# Altium PCB PCB3.PcbDoc
Units mil, origin at the board's own origin, x right, y up, seen from the top; angles counter-clockwise.
Board outline 3937.01 x 3937.01 mil, 2 copper layers (Top Layer, Bottom Layer); 68 components, 63 nets, 246 pads, 28 vias.
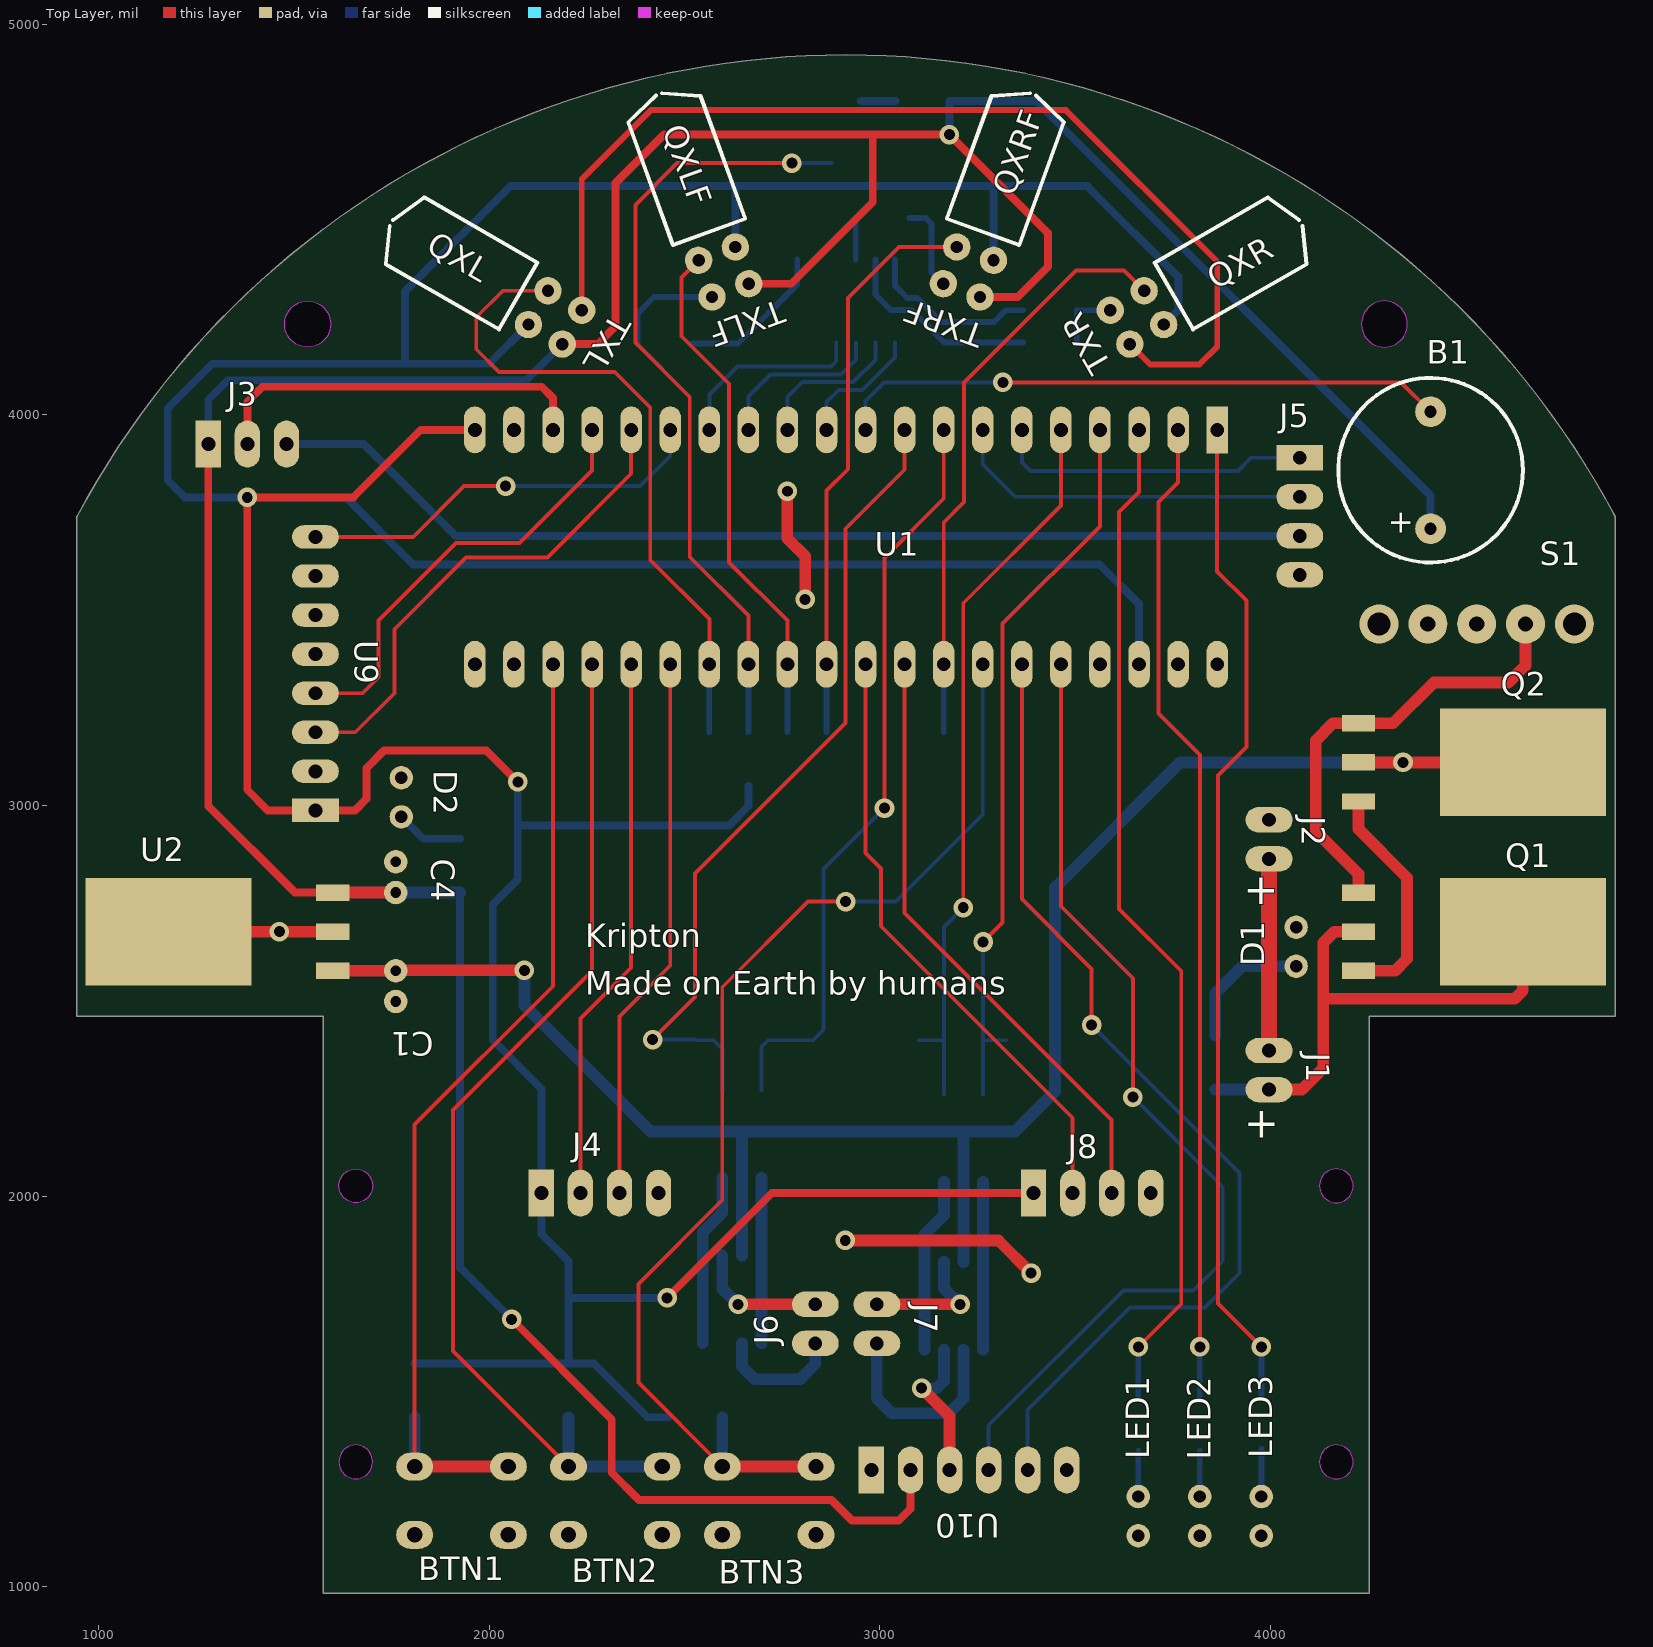
[diagram p0: Top Layer view]
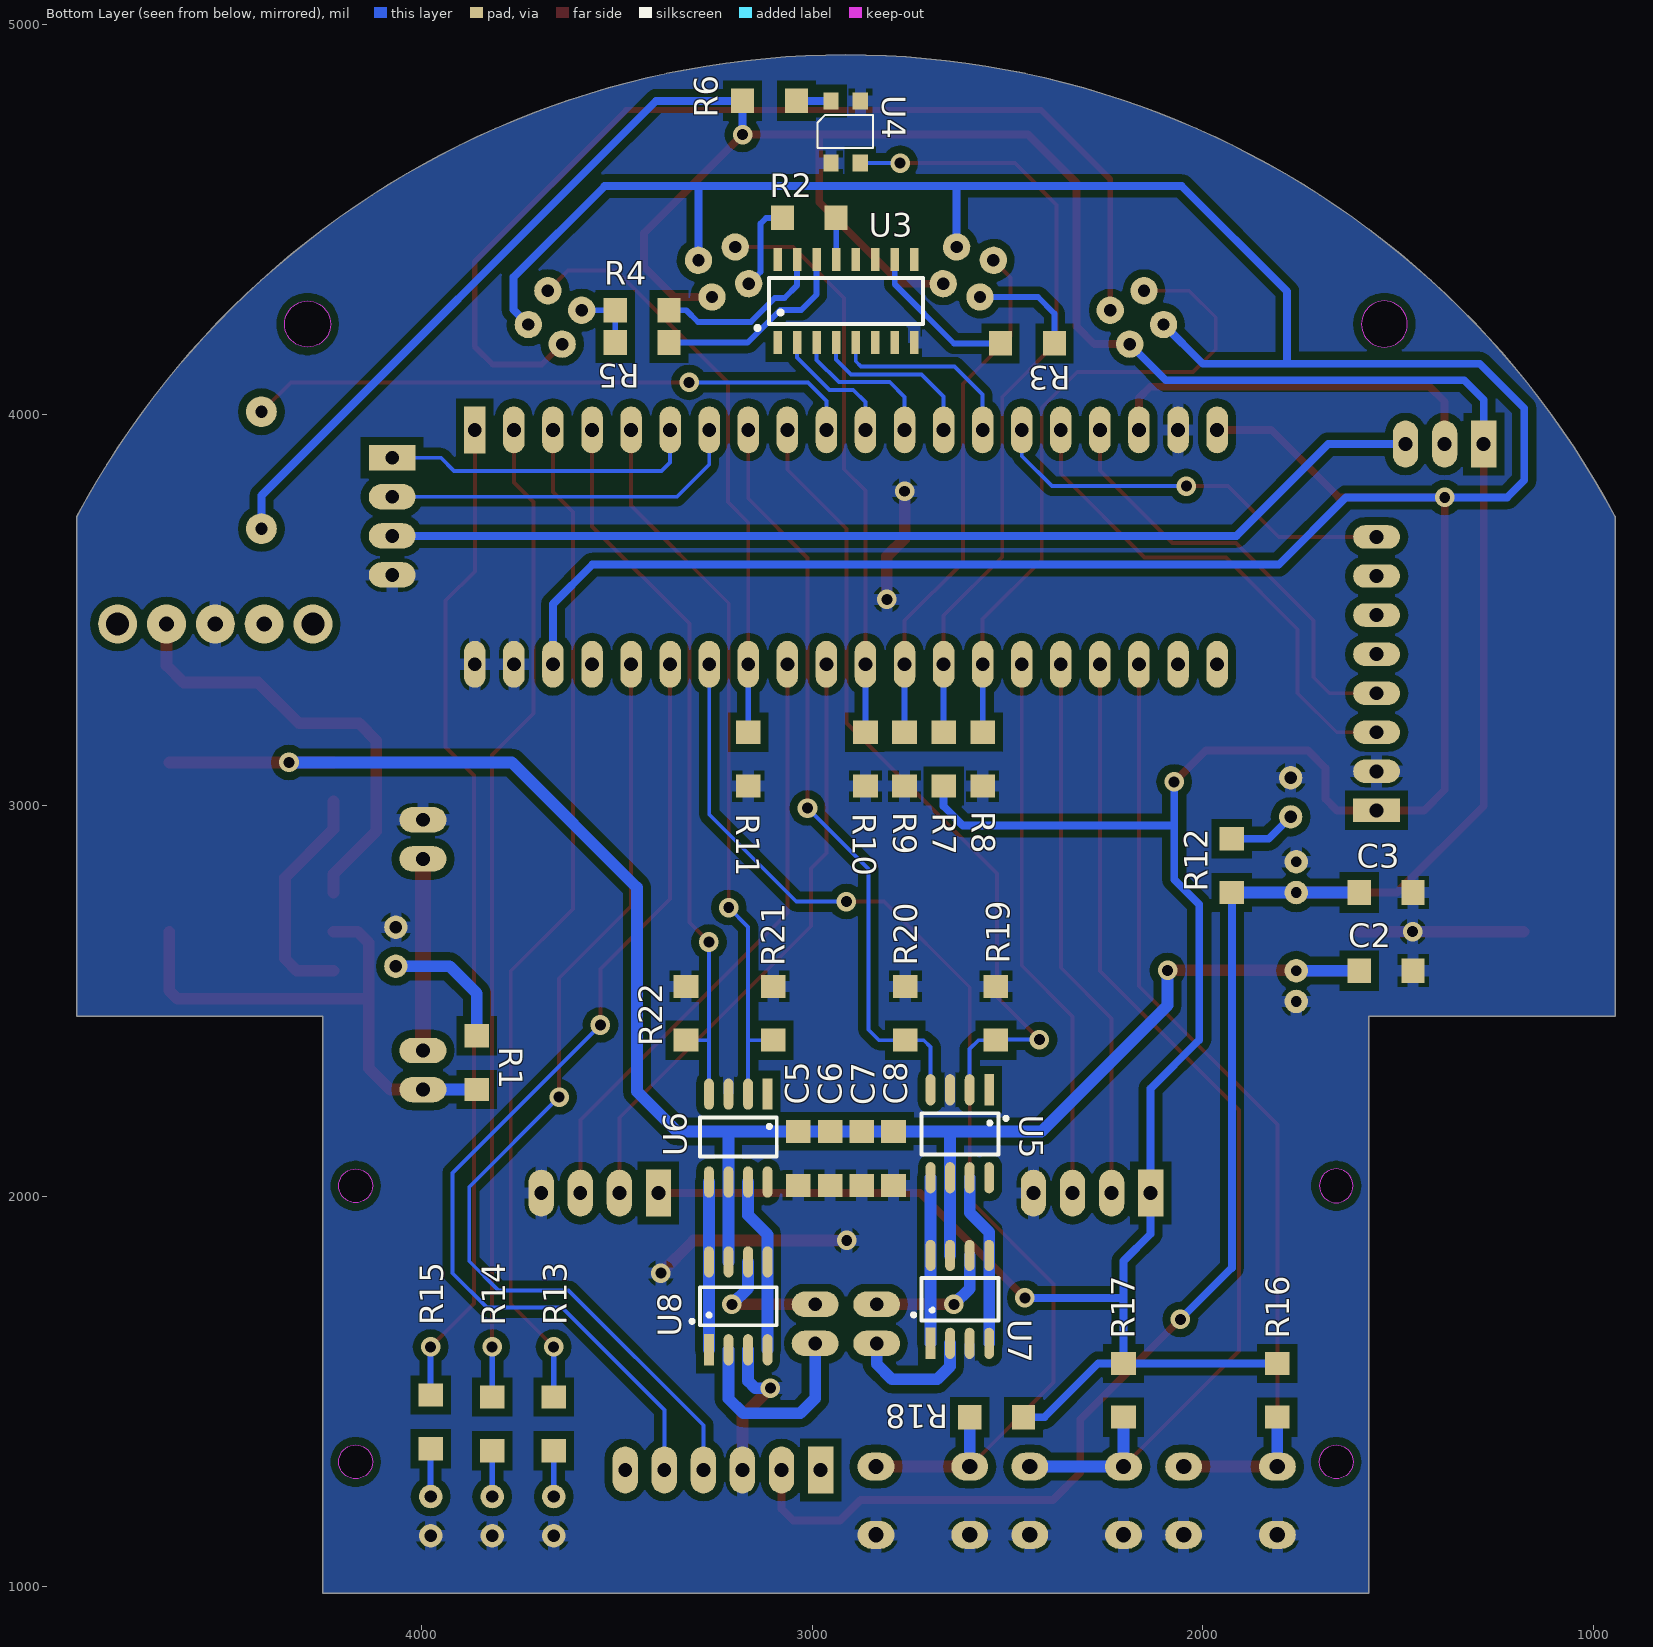
[diagram p1: Bottom Layer view, seen from below]
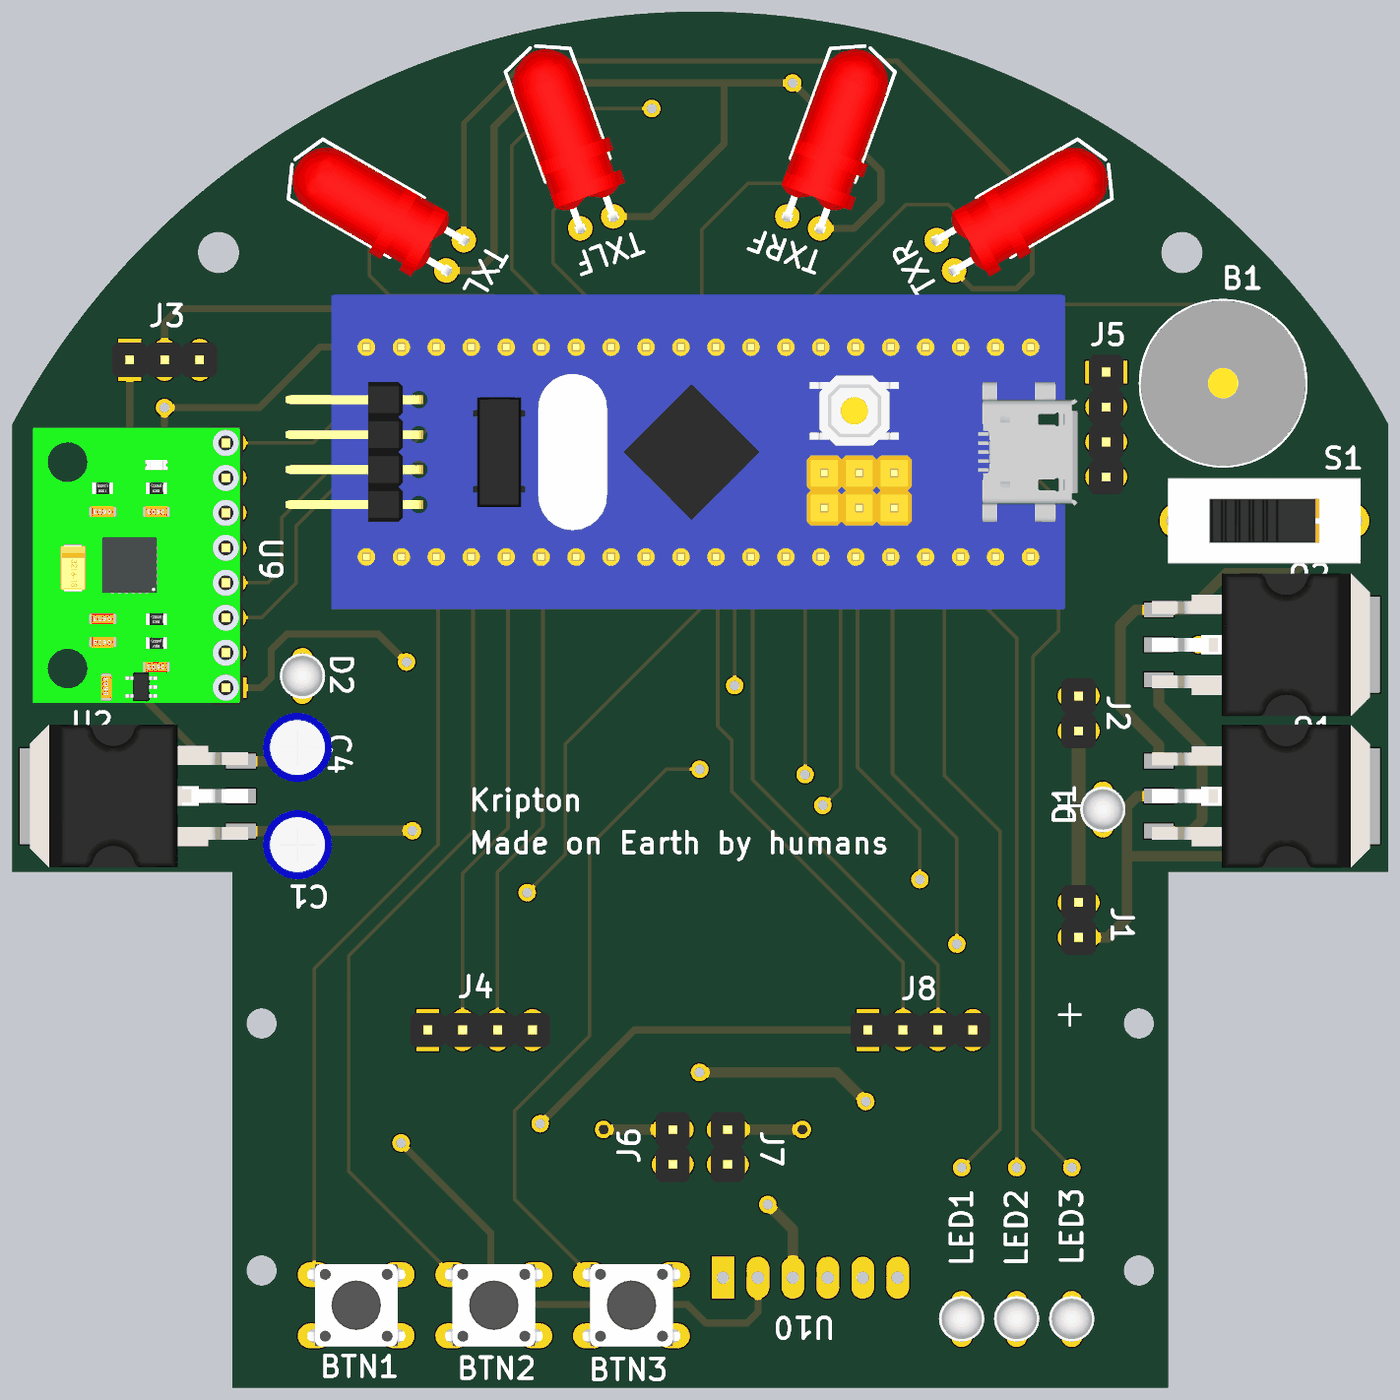
[diagram p2: 3D render of the assembled board from above, using the file's embedded part models]
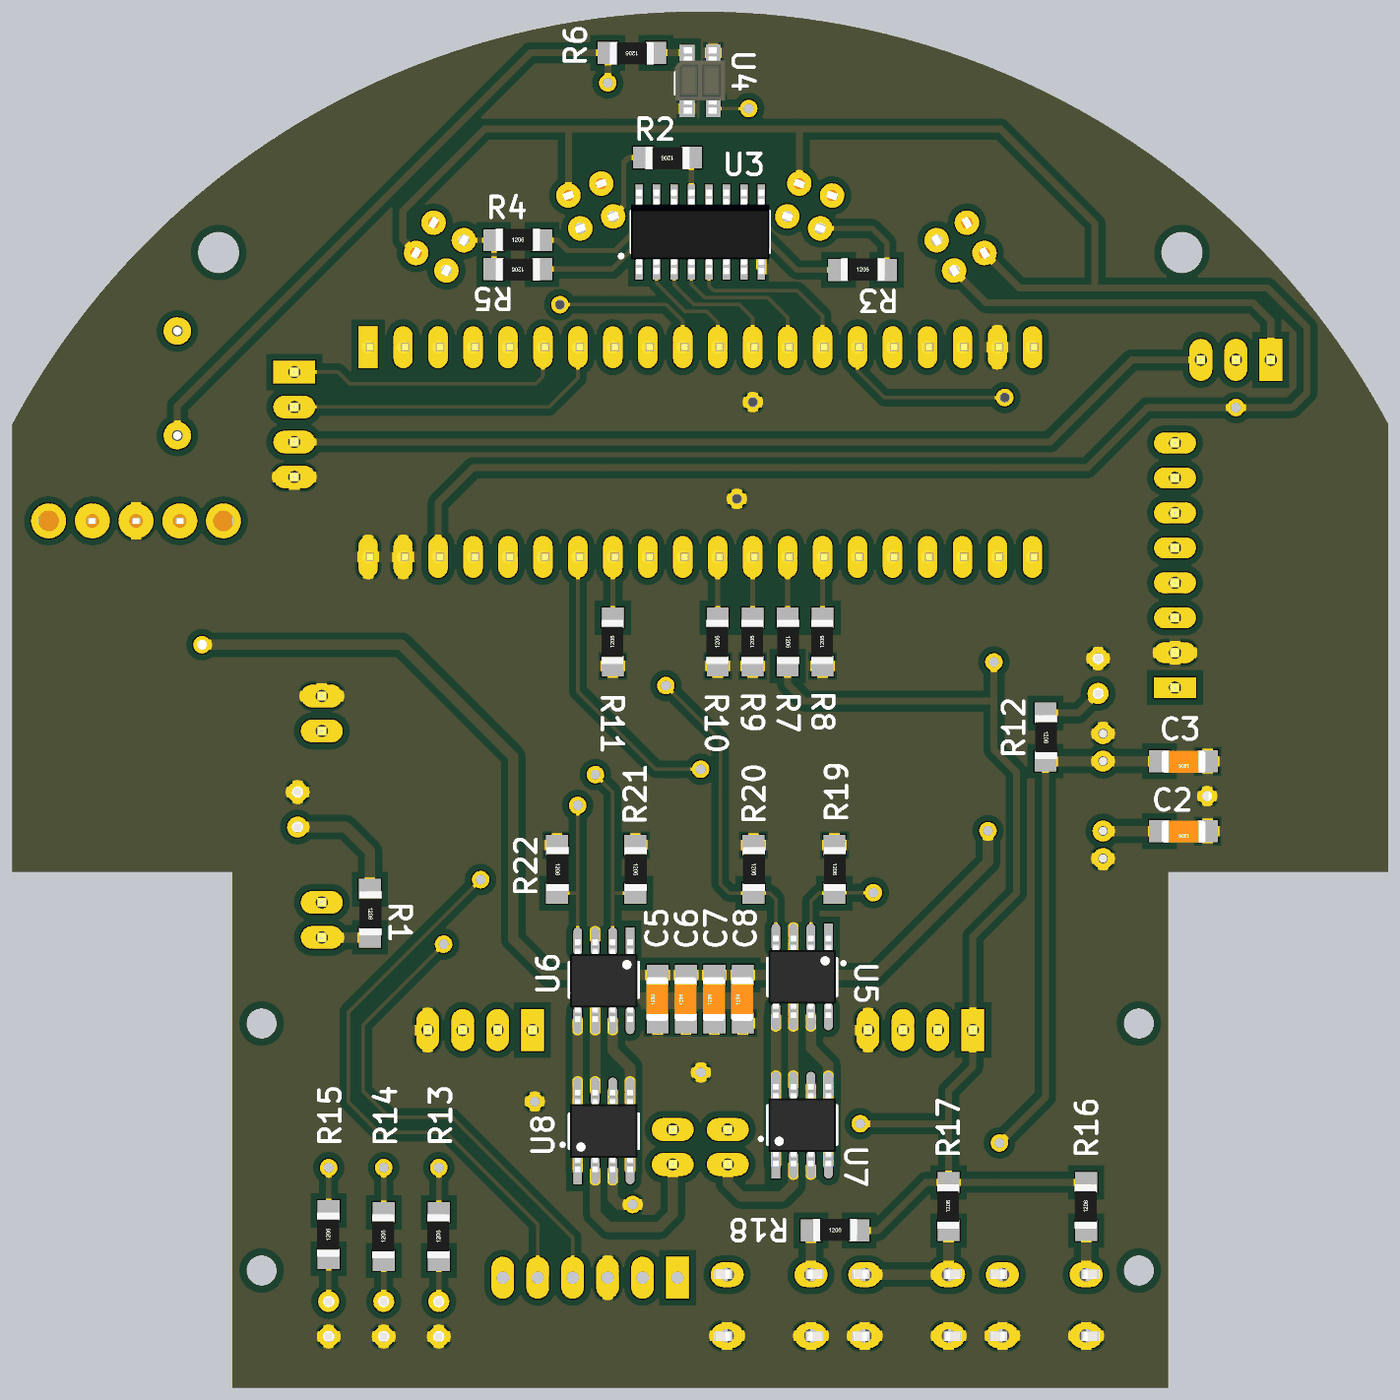
[diagram p3: 3D render of the assembled board from below, using the file's embedded part models]

## Layer stack, top to bottom
Top Solder: solder mask 0.4, Solder Resist, Dk 3.5
Top Layer: signal copper 1.4
Dielectric 1: dielectric 12.6, FR-4, Dk 4.8
Bottom Layer: signal copper 1.4
Bottom Solder: solder mask 0.4, Solder Resist, Dk 3.5

## Board outline
944.88,2460.63 1574.8,2460.63 1574.8,984.25 4251.97,984.25 4251.97,2460.63 4881.89,2460.63 4881.89,3740.16 ccw(c2913.39,2690.29) 944.88,3740.16
cut-out: 1594.24,4232.28 cw(c1535.18,4232.28) 1535.18,4173.23 cw(c1535.18,4232.28) 1476.13,4232.28 cw(c1535.18,4232.28) 1535.18,4291.34 cw(c1535.18,4232.28)
cut-out: 4232.28,4232.28 ccw(c4291.34,4232.28) 4291.34,4173.23 ccw(c4291.34,4232.28) 4350.39,4232.28 ccw(c4291.34,4232.28) 4291.34,4291.34 ccw(c4291.34,4232.28)
cut-out: 1615.16,1319.88 ccw(c1658.46,1319.88) 1658.46,1276.57 ccw(c1658.46,1319.88) 1701.77,1319.88 ccw(c1658.46,1319.88) 1658.46,1363.19 ccw(c1658.46,1319.88)
cut-out: 1658.46,1983.27 cw(c1658.46,2026.57) 1615.16,2026.57 cw(c1658.46,2026.57) 1658.46,2069.88 cw(c1658.46,2026.57) 1701.77,2026.57 cw(c1658.46,2026.57)
cut-out: 4125,2026.57 ccw(c4168.31,2026.57) 4168.31,1983.27 ccw(c4168.31,2026.57) 4211.61,2026.57 ccw(c4168.31,2026.57) 4168.31,2069.88 ccw(c4168.31,2026.57)
cut-out: 4125,1319.88 ccw(c4168.31,1319.88) 4168.31,1276.57 ccw(c4168.31,1319.88) 4211.61,1319.88 ccw(c4168.31,1319.88) 4168.31,1363.19 ccw(c4168.31,1319.88)

## Design rules (kind name [scope] priority, off if disabled: settings)
Clearance [All] p1: gap=10 except(20: Arc-Poly Track-Poly SMDPad-Poly THPad-Poly Via-Poly Fill-Poly Poly-Poly Poly-Region Poly-Text)
ComponentClearance [All] p1 off: gap=10 collisioncheckmode=3 verticalgap=0 showdistances=FALSE
Height [All] p1: minheight=0 maxheight=3937.01 prefheight=500
PolygonConnect [All] p1: connectstyle=Relief reliefconductorwidth=30 reliefentries=4 polygonreliefangle="90 Angle" airgapwidth=10
RoutingVias [All] p1: holewidth=28 width=50 viastyle="Through Hole" minholewidth=28 minwidth=50 maxholewidth=28 maxwidth=50
SolderMaskExpansion [All] p1: expansion=4
Width [All] p1: maxlimit=50 minlimit=10 preferedwidth=30
28 further rules are at their usual default settings.

## Components (designator, comment, footprint, x,y, rotation, side; value= is the part's Value field where it differs from the comment)
B1 "BUZZER" BUZZER-12MM 4409.45,3858.27 r90 top
BTN1 "BUTTON" TACT_SWITCH-SMALL-4PIN 1929.13,1220.47 r180 top
BTN2 "BUTTON" TACT_SWITCH-SMALL-4PIN 2322.83,1220.47 r180 top
BTN3 "BUTTON" TACT_SWITCH-SMALL-4PIN 2716.54,1220.47 r180 top
C1 "CAP-ELEC" CAP-ELEC-5x11x2mm 1761.02,2537.8 r270 top
C2 "CAP-CER" C1206 1530.56,2577.17 r0 bottom
C3 "CAP-CER" C1206 1530.56,2777.17 r0 bottom
C4 "CAP-ELEC" CAP-ELEC-5x11x2mm 1761.02,2816.54 r90 top
C5 "CAP-CER" C1206 3035.04,2096.46 r90 bottom
C6 "CAP-CER" C1206 2953.94,2096.46 r90 bottom
C7 "CAP-CER" C1206 2872.83,2096.46 r90 bottom
C8 "CAP-CER" C1206 2791.73,2096.46 r90 bottom
D1 "LED" LED-3MM-GREEN 4065.36,2638.58 r270 top
D2 "LED" LED-3MM-GREEN 1775.2,3020.87 r90 top
J1 "BAT" "HEADER 1x2" 3996.06,2322.83 r180 top
J2 "BAT" "HEADER 1x2" 3996.06,2913.39 r180 top
J3 "Jumper" "Header 1x3" 1281.1,3925.2 r90 top
J4 "ENCL" "Header 1x4" 2283.46,2007.87 r90 top
J5 "UART" "Header 1x4" 4074.8,3740.16 r0 top
J6 "MOTL" "HEADER 1x2" 2834.65,1673.23 r180 top
J7 "MOTR" "HEADER 1x2" 2992.13,1673.23 r180 top
J8 "ENCR" "Header 1x4" 3543.31,2007.87 r90 top
LED1 "LED" LED-3MM-GREEN 3661.42,1181.1 r270 top
LED2 "LED" LED-3MM-GREEN 3818.9,1181.1 r270 top
LED3 "LED" LED-3MM-GREEN 3976.38,1181.1 r270 top
Q1 "IRF5305S" TO-263 4525.42,2677.17 r270 top
Q2 "IRF5305S" TO-263 4525.42,3110.24 r270 top
QXL "QSD124" LED-5MM-RED-90-2 2125.42,4274.27 r240 top
QXLF "QSD124" LED-5MM-RED-90 2583.12,4412.44 r200 top
QXR "QSD124" LED-5MM-RED-90 3701.35,4274.27 r120 top
QXRF "QSD124" LED-5MM-RED-90 3243.65,4412.44 r160 top
R1 "RES" R1206 3858.27,2341.73 r270 bottom
R2 "RES" R1206 3007.28,4503.94 r0 bottom
R3 "RES" R1206 2448.82,4182.68 r180 bottom
R4 "RES" R1206 3435.04,4267.57 r180 bottom
R5 "RES" R1206 3435.04,4185.04 r0 bottom
R6 "RES" R1206 3109.06,4803.54 r0 bottom
R7 "RES" R1206 2663.39,3118.5 r270 bottom
R8 "RES" R1206 2563.39,3118.5 r90 bottom
R9 "RES" R1206 2763.39,3118.5 r90 bottom
R10 "RES" R1206 2863.39,3118.5 r90 bottom
R11 "RES" R1206 3163.39,3118.5 r90 bottom
R12 "RES" R1206 1925.59,2846.06 r270 bottom
R13 "RES" R1206 3661.42,1417.32 r90 bottom
R14 "RES" R1206 3818.9,1417.32 r90 bottom
R15 "RES" R1206 3976.38,1422.44 r90 bottom
R16 "RES" R1206 1809.13,1503.15 r90 bottom
R17 "RES" R1206 2202.83,1503.15 r90 bottom
R18 "RES" R1206 2527.64,1434.25 r180 bottom
R19 "RES" R1206 2529.53,2468.11 r270 bottom
R20 "RES" R1206 2761.42,2468.11 r270 bottom
R21 "RES" R1206 3099.61,2468.11 r270 bottom
R22 "RES" R1206 3322.83,2468.11 r270 bottom
S1 "SLIDE-SWITCH" SWITCH 4527.56,3464.57 r180 top
TXL "LED" LED-5MM-RED-90-2 2212.03,4224.27 r240 top
TXLF "SFH 4555" LED-5MM-RED-90 2617.32,4318.47 r200 top
TXR "LED" LED-5MM-RED-90 3614.75,4224.27 r120 top
TXRF "LED" LED-5MM-RED-90 3209.45,4318.47 r160 top
U1 "BLUE PILL STM32" BLUE_PILL 2913.39,3661.42 r270 top
U2 "LM2940" TO-263 1299.21,2677.17 r90 top
U3 "ULN2003A" SOIC-16-NARROW 2913.39,4291.34 r90 bottom
U4 "QRE1113GR" QRE1113GR 2913.39,4724.41 r270 bottom
U5 "4427" SOIC-8 2621.85,2159.74 r270 bottom
U6 "4427" SOIC-8 3188.98,2148.82 r270 bottom
U7 "ZXMHC3F381N8" SOIC-8 2621.85,1735.73 r90 bottom
U8 "ZXMHC3F381N8" SOIC-8 3188.98,1719.19 r90 bottom
U9 "GY-521" GY-521 1305.12,3337.4 r180 top
U10 "HC-05" HC-05 3228.35,1299.21 r90 top

## Footprints (in the part's own frame and the unit in brackets; to place one, negate y for a bottom-side part, rotate by r counter-clockwise, add the part's x,y. Pads: shape width x height; smd on the part's side, far side on the other; paste and mask are expansions set on the pad)
BLUE_PILL [mil]
  rect 120x55 hole 35.43: 1(-300,950)
  oval 120x55 hole 35.43: 2(-300,850) 3(-300,750) 4(-300,650) 5(-300,550) 6(-300,450) 7(-300,350) 8(-300,250) 9(-300,150) 10(-300,50) 11(-300,-50) 12(-300,-150) 13(-300,-250) 14(-300,-350) 15(-300,-450) 16(-300,-550) 17(-300,-650) 18(-300,-750) 19(-300,-850) 20(-300,-950) 21(300,-950) 22(300,-850) 23(300,-750) 24(300,-650) 25(300,-550) 26(300,-450) 27(300,-350) 28(300,-250) 29(300,-150) 30(300,-50) 31(300,50) 32(300,150) 33(300,250) 34(300,350) 35(300,450) 36(300,550) 37(300,650) 38(300,750) 39(300,850) 40(300,950)
  body extent -450,-1186 450,1080, height 638
BUZZER-12MM [mm]
  round 2 hole 0.8: 1(-3.8,0) 2(3.8,0)
  silkscreen extent -6,-6 6,6, body extent -6,-6 6,6, height 9.5
C1206 [mm]
  rect 1.5x1.6 smd: 1(-1.75,0) 2(1.75,0)
  body extent -1.6,-0.76 1.6,0.84, height 1.26
CAP-ELEC-5x11x2mm [mil]
  round 60 hole 27.56: 1(-39.37,0) 2(39.37,0)
  body extent -100,-99 99,99, height 454
GY-521 [mil]
  rect 120x60 hole 35.43: 1(-250,350)
  oval 120x60 hole 35.43: 2(-250,250) 3(-250,150) 4(-250,50) 5(-250,-50) 6(-250,-150) 7(-250,-250) 8(-250,-350)
  body extent -300,-400 300,400, height 220
HC-05 [mil]
  rect 120x65 hole 35.43: 1(0,250)
  oval 120x65 hole 35.43: 2(0,150) 3(0,50) 4(0,-50) 5(0,-150) 6(0,-250)
  body extent -217,-317 15,317, height 1496
"HEADER 1x2" [mil]
  oval 120x65 hole 35.43: 1(0,50) 2(0,-50)
  body extent -49,-100 49,100, height 336
"Header 1x3" [mil]
  rect 120x65 hole 35.43: 1(0,0)
  oval 120x65 hole 35.43: 2(0,-100) 3(0,-200)
  body extent -49,-250 49,50, height 336
"Header 1x4" [mil]
  rect 120x65 hole 35.43: 1(0,150)
  oval 120x65 hole 35.43: 2(0,50) 3(0,-50) 4(0,-150)
  body extent -49,-200 49,200, height 336
LED-3MM-GREEN [mil]
  round 60 hole 31.5: A(-50,0) K(50,0)
  body extent -66,-65 64,65, height 217
LED-5MM-RED-90 [mil]
  round 70 hole 31.5: A(-50,0) K(50,0)
  body extent -116,-421 96,10, height 234
LED-5MM-RED-90-2 [mil]
  round 70 hole 31.5: A(50,0) K(-50,0)
  body extent -96,-421 116,10, height 234
QRE1113GR [mm]
  rect 1.1x1 smd: A(-2.01,-0.97) C(2.04,0.94) E(-2.01,0.94) K(2.04,-0.97)
  silkscreen extent -1.08,-1.85 1.04,1.75, body extent -2.4,-1.8 2.4,1.8, height 1.83
R1206 [mm]
  rect 1.5x1.6 smd: 1(-1.75,0) 2(1.75,0)
  body extent -1.6,-0.76 1.6,0.84, height 0.68
SOIC-8 [mil]
  rect 80x25 smd: 1(-112.5,75)
  oval 80x25 smd: 2(-112.5,25) 3(-112.5,-25) 4(-112.5,-75) 5(112.5,-75) 6(112.5,-25) 7(112.5,25) 8(112.5,75)
  silkscreen extent -52,-98 53,122, body extent -118,-96 118,96, height 69
SOIC-16-NARROW [mm]
  rect 1.5x0.55 smd: 1(-2.7,4.445) 2(-2.7,3.175) 3(-2.7,1.905) 4(-2.7,0.635) 5(-2.7,-0.635) 6(-2.7,-1.905) 7(-2.7,-3.175) 8(-2.7,-4.445) 9(2.7,-4.445) 10(2.7,-3.175) 11(2.7,-1.905) 12(2.7,-0.635) 13(2.7,0.635) 14(2.7,1.905) 15(2.7,3.175) 16(2.7,4.445)
  silkscreen extent -2,-5 1.5,6, body extent -3.08,-5.04 3.08,5.04, height 2
SWITCH [mm]
  round 2.54 hole 1: 1(-3.175,0) 2(0,0) 3(3.175,0)
  round 2.54 hole 1.5: 4(-6.35,0) 4(6.35,0)
  body extent -7,-3.1 7,3.1, height 9.65
TACT_SWITCH-SMALL-4PIN [mm]
  oval 2.4x1.8 hole 1: 1(-3.048,2.222) 1(3.048,2.223) 2(-3.048,-2.223) 2(3.048,-2.222)
  body extent -3.99,-3 3.99,3, height 5.15
TO-263 [mil]
  rect 42x85 smd: 1(-100,-300.25) 2(0,-300.25) 3(100,-300.25)
  rect 275x425 smd: 2(0,120.25)
  body extent -204,-320 205,304, height 181

## Part data
B1: library part BUZZER-ACTIVE
J1 J2 J6 J7: library part "Header 1x2"
J3: library part "Header 1x3"
J4 J5 J8: library part "Header 1x4"
Q1 Q2: library part P-MOSFET
QXL QXLF QXR QXRF: library part "PHOTO NPN"
TXLF: library part LED
U9: library part "GY-521 (MPU6050)"

## Via types
v1: diameter 50, hole 28, Top Layer to Bottom Layer, 28 vias

## Nets (pads, with @x,y where several pads share a name; then routed paths per layer and width w, separated by ;. In a path a pad name is that pad's centre, name@x,y a point inside that pad or via, vN(x,y) a via of type N, cw(c..) or ccw(c..) an arc to the next point about the centre after c; other vN are vias at no path point)
3V3: J4.1 J8.1 QXL.A QXLF.A QXR.A QXRF.A R7.2 R16.2 R17.2 R18.2 U1.20 U1.38 U9.1 | length 13325.3
  Top Layer w20: U1.20 1825.2,3961.42 1652.36,3788.58 v1(1380.71,3788.58) 1380.71,3040.16 1433.46,2987.4 U9.1 1656.3,2987.4 1685.83,3016.93 1685.83,3095.67 1730.71,3140.55 1992.52,3140.55 2072.44,3060.63 v1(2073.23,3060.63) ; v1(2455.51,1739.76) 2723.62,2007.87 J8.1
  Bottom Layer w20: R16.2 R17.2 ; v1(2073.23,3060.63) 2073.23,2948.82 ; QXL.A 2000.16,4130.71 1784.25,4130.71 ; v1(2455.51,1739.76) 2202.83,1739.76 ; R18.2 2405.51,1434.25 2267.72,1572.05 R17.2 ; QXLF.A 2630.11,4573.23 ; R7.2 2663.39,2998.03 2614.17,2948.82 2073.23,2948.82 ; QXRF.A 3290.63,4573.23 ; U1.38 3663.39,3515.75 3562.6,3616.54 1805.51,3616.54 1633.46,3788.58 v1(1380.71,3788.58) 1220.87,3788.58 1177.17,3832.28 1177.17,4016.54 1291.34,4130.71 1784.25,4130.71 ; QXR.A 3764.17,4268.8 3764.17,4352.36 3531.1,4585.43 2053.94,4585.43 1784.25,4315.75 1784.25,4130.71 ; 2073.23,2948.82 2073.23,2810.63 2009.06,2746.46 2009.06,2400 2133.46,2275.59 J4.1 2133.46,1903.54 2202.83,1834.17 2202.83,1739.76 ; R17.2 2202.83,1739.76
5V: B1.1 C3.2 C4.1 J3.1 R6.2 R12.2 TXL.A TXLF.A TXRF.A U2.3 U10.2 | length 9950.1
  Top Layer w20: J3.1 1281.1,2998.82 1502.76,2777.17 U2.3 ; v1(2057.48,1684.65) 2313.78,1428.35 2313.78,1292.13 2383.46,1222.44 2875.98,1222.44 2928.74,1169.68 3048.43,1169.68 3078.35,1199.61 U10.2 ; TXL.A 2277.43,4180.97 2323.23,4226.77 2323.23,4593.31 2447.24,4717.32 2981.5,4717.32 ; TXLF.A 2772.98,4335.58 2981.5,4544.09 2981.5,4717.32 ; TXRF.A 3352.95,4301.37 3430.32,4378.74 3430.32,4464.96 v1(3177.95,4717.32) 2981.5,4717.32
  Top Layer w30: U2.3 C4.1
  Bottom Layer w20: J3.1 1281.1,4038.58 1331.1,4088.58 2094.64,4088.58 TXL.A ; R12.2 1925.59,1816.54 v1(2057.48,1684.65) ; v1(3177.95,4717.32) R6.2 3399.21,4803.54 4409.45,3793.31 B1.1
  Bottom Layer w30: C3.2 C4.1 R12.2
BTN1: BTN1.2 R16.1 U1.23 | length 2566.5
  Top Layer w10: BTN1.2@1809.13,1307.97 1809.13,2183.15 2163.39,2537.4 U1.23
  Top Layer w30: BTN1.2@1809.13,1307.97 BTN1.2@2049.13,1307.97
  Bottom Layer w30: BTN1.2@1809.13,1307.97 R16.1
BTN2: BTN2.2 R17.1 U1.24 | length 2689.5
  Top Layer w10: BTN2.2@2202.83,1307.97 1907.48,1603.33 1907.48,2220.08 2263.39,2575.98 U1.24
  Bottom Layer w30: R17.1 2202.83,1307.97 BTN2.2@2442.83,1307.97
BTN3: BTN3.2 R18.1 U1.34 | length 3005.4
  Top Layer w10: BTN3.2@2596.54,1307.97 2381.89,1522.62 2381.89,1775.59 2596.54,1990.24 2596.54,2534.72 2815.75,2753.94 v1(2912.2,2753.94)
  Top Layer w30: BTN3.2@2596.54,1307.97 BTN3.2@2836.54,1307.97
  Bottom Layer w10: v1(2912.2,2753.94) 3040.55,2753.94 3263.39,2976.77 U1.34
  Bottom Layer w30: BTN3.2@2596.54,1307.97 R18.1
BUZZER: B1.2 U1.10 | length 1571.2
  Top Layer w10: v1(3314.96,4083.07) 4334.25,4083.07 B1.2
  Bottom Layer w10: U1.10 2963.39,4035.83 3010.63,4083.07 v1(3314.96,4083.07)
CNY: R7.1 U1.28 U4.C | length 2015.9
  Top Layer w10: U1.28 2663.39,3485.83 2513.39,3635.83 2513.39,4046.06 2374.41,4185.04 2374.41,4537.4 2481.1,4644.09 v1(2774.8,4644.09)
  Bottom Layer w10: v1(2774.8,4644.09) U4.C
  Bottom Layer w15: R7.1 U1.28
ENCL_A: J4.2 U1.25 | length 1407.4
  Top Layer w10: J4.2 2233.46,2454.72 2363.39,2584.65 U1.25
ENCL_B: J4.3 U1.26 | length 1407.4
  Top Layer w10: J4.3 2333.46,2460.24 2463.39,2590.16 U1.26
ENCR_A: J8.2 U1.31 | length 1573
  Top Layer w10: U1.31 2963.39,2878.74 3003.15,2838.98 3003.15,2690.94 3493.31,2200.79 J8.2
ENCR_B: J8.3 U1.32 | length 1573
  Top Layer w10: U1.32 3063.39,2725.2 3593.31,2195.28 J8.3
GND: BTN1.1 BTN2.1 BTN3.1 C1.2 C2.1 C3.1 C4.2 C5.1 C6.1 C7.1 C8.1 D1.A D2.K J2.2 J4.4 J5.4 J8.4 LED1.K LED2.K LED3.K R8.1 R9.1 R10.1 R11.1 R19.1 R20.1 R21.1 R22.1 S1.2 U1.19 U1.39 U1.40 U2.2 U3.8 U4.E U4.K U5.3 U6.3 U7.3 U8.3 U9.2 U10.3 | length 1610.1
  Top Layer w30: U2.2@1178.96,2677.17 v1(1462.99,2677.17) U2.2@1599.46,2677.17 ; v1(2762.99,3804.33) 2762.99,3683.46 2808.66,3637.8 v1(2808.66,3527.56) ; v1(2911.42,1886.61) 3303.54,1886.61 v1(3387.01,1803.15) ; v1(3106.69,1508.66) 3178.35,1437.01 U10.3
  Bottom Layer w30: v1(3106.69,1508.66) 3145.67,1508.66 3163.98,1526.97 U8.3
LED1: R13.2 U1.3 | length 2607.8
  Top Layer w10: v1(3661.42,1614.17) 3771.26,1724.02 3771.26,2576.38 3612.2,2735.43 3612.2,3750.79 3663.39,3801.97 U1.3
  Bottom Layer w15: R13.2 v1(3661.42,1614.17)
LED2: R14.2 U1.2 | length 2539.9
  Top Layer w10: U1.2 3763.39,3827.17 3712.99,3776.77 3712.99,3235.04 3818.9,3129.13 v1(3818.9,1614.17)
  Bottom Layer w15: R14.2 v1(3818.9,1614.17)
LED3: R15.2 U1.1 | length 2577.2
  Top Layer w10: U1.1 3863.39,3599.21 3938.19,3524.41 3938.19,3149.61 3865.35,3076.77 3865.35,1725.2 v1(3976.38,1614.17)
  Bottom Layer w15: R15.2 v1(3976.38,1614.17)
MOTL_DIR: R19.2 U1.9 U5.2 | length 2121.1
  Top Layer w10: v1(2418.11,2400.79) 2527.17,2509.84 2527.17,2826.38 2912.2,3211.42 2912.2,3708.27 3063.39,3859.45 U1.9
  Bottom Layer w10: v1(2418.11,2400.79) 2527.95,2400.79 R19.2 2574.41,2399.21 2596.85,2376.77 U5.2
MOTL_PWM: R20.2 U1.8 U5.4 | length 1949.8
  Top Layer w10: v1(3011.81,2993.31) 3011.81,3633.86 3163.39,3785.43 U1.8
  Bottom Layer w10: U5.4 2696.85,2381.89 2714.17,2399.21 R20.2 2829.13,2399.21 2855.91,2425.98 2855.91,2837.4 v1(3011.81,2993.31)
MOTR_DIR: R22.2 U1.4 U6.4 | length 1883
  Top Layer w10: v1(3263.98,2650.59) 3314.17,2700.79 3314.17,3465.35 3563.39,3714.57 U1.4
  Bottom Layer w10: U6.4 3263.98,2399.21 ; v1(3263.98,2650.59) 3263.98,2399.21 ; R22.2 3263.98,2399.21
MOTR_PWM: R21.2 U1.5 U6.2 | length 1888.5
  Top Layer w10: v1(3213.39,2738.58) 3213.39,3517.72 3463.39,3767.72 U1.5
  Bottom Layer w10: R21.2 3163.98,2399.21 ; U6.2 3163.98,2399.21 ; v1(3213.39,2738.58) 3163.98,2689.17 3163.98,2399.21
MPU_INT: U1.15 U9.8 | length 1061
  Top Layer w10: U9.8 1805.51,3687.4 1935.43,3817.32 v1(2042.13,3817.32)
  Bottom Layer w10: v1(2042.13,3817.32) 2386.22,3817.32 2463.39,3894.49 U1.15
NetD1_K: D1.K R1.1 | length 344.2
  Bottom Layer w30: R1.1 3858.27,2518.9 3927.95,2588.58 D1.K
NetD2_A: D2.A R12.1 | length 173.5
  Bottom Layer w20: D2.A 1831.1,2914.96 R12.1
NetJ1_1: J1.1 Q1.2 R1.2 | length 1393.2
  Top Layer w30: J1.1 4079.92,2272.83 4134.65,2327.56 4134.65,2505.12 ; Q1.2@4225.17,2677.17 4163.39,2677.17 4134.65,2648.43 4134.65,2505.12 ; Q1.2@4645.67,2677.17 4645.67,2525.98 4624.8,2505.12 4134.65,2505.12
  Bottom Layer w30: R1.2 J1.1
NetJ1_2: J1.2 J2.1 | length 490.6
  Top Layer w40: J1.2 J2.1
NetJ3_2: J3.2 U1.18 | length 1000.1
  Top Layer w20: J3.2 1381.1,4033.46 1419.68,4072.05 2134.25,4072.05 2163.39,4042.91 U1.18
NetJ6_1: J6.1 U7.2 | length 329.1
  Bottom Layer w30: U7.2 2646.85,1564.57 2679.92,1531.5 2795.67,1531.5 2834.65,1570.47 J6.1
NetJ6_2: J6.2 U7.6 | length 339.3
  Top Layer w30: v1(2637.01,1723.23) J6.2
  Bottom Layer w30: U7.6 2596.85,1763.39 v1(2637.01,1723.23)
NetJ7_1: J7.1 U8.2 | length 519.2
  Bottom Layer w30: J7.1 2992.13,1482.28 3030.31,1444.09 3176.38,1444.09 3213.98,1481.69 U8.2
NetJ7_2: J7.2 U8.6 | length 339.1
  Top Layer w30: J7.2 v1(3205.51,1723.23)
  Bottom Layer w30: U8.6 3163.98,1764.76 v1(3205.51,1723.23)
NetLED1_A: LED1.A R13.1 | length 117.3
  Bottom Layer w15: LED1.A R13.1
NetLED2_A: LED2.A R14.1 | length 117.3
  Bottom Layer w15: LED2.A R14.1
NetLED3_A: LED3.A R15.1 | length 122.4
  Bottom Layer w15: LED3.A R15.1
NetQ1_G: Q1.1 Q2.1 S1.1 | length 1157.4
  Top Layer w30: Q1.1 4225.17,2824.44 4115.35,2934.25 4115.35,3166.14 4159.45,3210.24 Q2.1 4313.39,3210.24 4417.72,3314.57 4608.66,3314.57 4652.56,3358.46 S1.1
NetQ1_S: Q1.3 Q2.3 | length 590.7
  Top Layer w30: Q1.3 4318.9,2577.17 4349.21,2607.48 4349.21,2814.96 4225.17,2939 Q2.3
NetR2_1: R2.1 U3.13 | length 106.3
  Bottom Layer w15: U3.13 R2.1
NetR2_2: R2.2 TXRF.K | length 228.4
  Bottom Layer w15: R2.2 3117.72,4503.94 3132.28,4489.37 3132.28,4365.75 TXRF.K
NetR3_1: R3.1 U3.10 | length 397
  Bottom Layer w15: R3.1 2637.01,4182.68 2788.39,4334.06 U3.10
NetR3_2: R3.2 TXLF.K | length 284.6
  Bottom Layer w15: R3.2 2379.92,4259.45 2421.85,4301.37 TXLF.K
NetR4_1: R4.1 R5.2 TXR.K | length 168.3
  Bottom Layer w15: R5.2 R4.1 TXR.K
NetR4_2: R4.2 U3.15 | length 445.2
  Bottom Layer w15: U3.15 3038.39,4331.3 3070.87,4298.82 3095.67,4298.82 3156.69,4237.8 3292.13,4237.8 3321.9,4267.57 R4.2
NetR5_1: R5.1 U3.14 | length 518.3
  Bottom Layer w15: U3.14 2988.39,4308.07 3027.95,4268.5 3081.5,4268.5 3164.96,4185.04 R5.1
NetR6_1: R6.1 U4.A | length 88.6
  Bottom Layer w20: U4.A R6.1
NetTXL_K: TXL.K TXR.A | length 2677.9
  Top Layer w15: TXL.K 2237.03,4603.17 2413.78,4779.92 3475.98,4779.92 3863.39,4392.52 3863.39,4174.41 3817.72,4128.74 3691.97,4128.74 TXR.A
NetU5_5: U5.5 U7.1 U7.8 | length 424
  Bottom Layer w30: U7.1 U7.8 U5.5
NetU5_7: U5.7 U7.4 U7.5 | length 444.7
  Bottom Layer w30: U7.4 U7.5 2546.85,1907.48 2596.85,1957.48 U5.7
NetU6_5: U6.5 U8.1 U8.8 | length 429.6
  Bottom Layer w30: U8.1 U8.8 U6.5
NetU6_7: U6.7 U8.4 U8.5 | length 450.3
  Bottom Layer w30: U8.4 U8.5 3113.98,1900.98 3163.98,1950.98 U6.7
QXL: QXL.K R8.2 U1.27 | length 1694.3
  Top Layer w10: QXL.K 2034.9,4317.57 1966.93,4249.61 1966.93,4167.72 2025.2,4109.45 2321.26,4109.45 2412.2,4018.5 2412.2,3628.35 2563.39,3477.17 U1.27
  Bottom Layer w15: R8.2 U1.27
QXLF: QXLF.K R9.2 U1.29 | length 1338.2
  Top Layer w10: QXLF.K 2492.52,4351.72 2492.52,4201.18 2614.17,4079.53 2614.17,3622.44 2763.39,3473.23 U1.29
  Bottom Layer w15: R9.2 U1.29
QXR: QXR.K R11.2 U1.33 | length 1517.9
  Top Layer w10: U1.33 3163.39,3724.41 3215.75,3776.77 3215.75,4083.07 3501.97,4369.29 3624.63,4369.29 QXR.K
  Bottom Layer w15: R11.2 U1.33
QXRF: QXRF.K R10.2 U1.30 | length 1467
  Top Layer w10: U1.30 2863.39,3805.91 2918.11,3860.63 2918.11,4299.21 3048.44,4429.54 QXRF.K
  Bottom Layer w15: R10.2 U1.30
RX_BT: U1.36 U10.4 | length 2587.1
  Top Layer w10: U1.36 3463.39,2742.13 3647.64,2557.87 v1(3647.64,2253.54)
  Bottom Layer w10: U10.4 3278.35,1413.78 3623.23,1758.66 3802.76,1758.66 3877.56,1833.46 3877.56,2023.62 v1(3647.64,2253.54)
RX_PROG: J5.2 U1.7 | length 934.2
  Bottom Layer w10: U1.7 3263.39,3872.83 3346.06,3790.16 J5.2
SCL_MPU: U1.16 U9.3 | length 1290.5
  Top Layer w10: U9.3 1657.09,3187.4 1757.09,3287.4 1757.09,3451.18 1940.94,3635.04 2149.21,3635.04 2363.39,3849.21 U1.16
SDA_MPU: U1.17 U9.4 | length 1133.4
  Top Layer w10: U9.4 1675.59,3287.4 1716.54,3328.35 1716.54,3474.02 1914.57,3672.05 2077.56,3672.05 2263.39,3857.87 U1.17
TX_BT: U1.35 U10.5 | length 2629.5
  Top Layer w10: U1.35 3363.39,2760.24 3541.73,2581.89 v1(3541.73,2438.19)
  Bottom Layer w10: U10.5 3378.35,1452.76 3640.16,1714.57 3831.89,1714.57 3920.08,1802.76 3920.08,2059.84 v1(3541.73,2438.19)
TX_PROG: J5.1 U1.6 | length 817.3
  Bottom Layer w10: U1.6 3363.39,3878.35 3385.04,3856.69 3916.54,3856.69 3950,3890.16 J5.1
TX_SIDE: U1.11 U3.2 | length 331.6
  Bottom Layer w10: U1.11 2863.39,4032.28 2894.72,4063.62 2955.35,4063.62 3038.39,4146.65 U3.2
TX_SIDE_H: U1.12 U3.3 | length 393.2
  Bottom Layer w10: U1.12 2763.39,4045.67 2801.34,4083.62 2931.65,4083.62 2988.39,4140.35 U3.3
TXLF: U1.14 U3.5 | length 498.5
  Bottom Layer w10: U1.14 2563.39,4051.57 2635.43,4123.62 2874.8,4123.62 2888.39,4137.2 U3.5
TXRF: U1.13 U3.4 | length 443.2
  Bottom Layer w10: U1.13 2663.39,4046.85 2720.16,4103.62 2900.47,4103.62 2938.39,4141.54 U3.4
UART_5V: J3.3 J5.3 | length 2691.1
  Bottom Layer w20: J3.3 1678.74,3925.2 1913.78,3690.16 J5.3
VBAT: C1.1 C2.2 C5.2 C6.2 C7.2 C8.2 Q2.2 U2.1 U5.6 U6.6 U7.7 U8.7 | length 4893.1
  Top Layer w30: U2.1 C1.1 1761.81,2577.95 v1(2090.16,2577.95) ; Q2.2@4225.17,3110.24 v1(4338.98,3110.24) Q2.2@4645.67,3110.24
  Bottom Layer w30: C2.2 C1.1 ; v1(2090.16,2577.95) 2090.16,2488.58 2413.39,2165.35 2646.85,2165.35 ; U7.7 U5.6 2646.85,2165.35 ; U8.7 U6.6 3213.98,2165.35 ; v1(4338.98,3110.24) 3768.5,3110.24 3448.43,2790.16 3448.43,2268.11 3345.67,2165.35 3213.98,2165.35 ; 2646.85,2165.35 3213.98,2165.35
pads on no net: S1.3 S1.4 U1.21 U1.22 U1.37 U3.1 U3.6 U3.7 U3.9 U3.11 U3.12 U3.16 U5.1 U5.8 U6.1 U6.8 U9.5 U9.6 U9.7 U10.1 U10.6

## Polygon pours and split planes (outlines as drawn)
GND on Bottom Layer "B-GND" (solid, remove dead copper, pour order 2): 944.63,2460.38 944.63,3739.91 cw(c2913.14,2690.04) 4881.64,3739.91 4881.64,2460.38 4251.72,2460.38 4251.72,984 1574.55,984 1574.55,2460.38

## Silkscreen, mask and mechanical layers (free items; w line width, h text height)
Top Overlay:
  lines w10: 1745.44,4483.83 1735.15,4385.95 2024.96,4218.62 2123.39,4389.1 1833.58,4556.42 1753.95,4498.57 ; 2426.74,4817.23 2355.94,4748.85 2470.39,4434.39 2655.37,4501.72 2540.92,4816.18 2442.73,4823.05 ; 3384.04,4823.05 3285.85,4816.18 3171.4,4501.72 3356.38,4434.39 3470.83,4748.85 3400.03,4817.23 ; 4072.82,4498.57 3993.2,4556.42 3703.38,4389.1 3801.81,4218.62 4091.62,4385.95 4081.33,4483.83
  text "+" at 4020.47,2815.36 h78.74 r180
  text "Kripton" at 2245.67,2637.01 h60
  text "Made on Earth by humans" at 2245.67,2514.96 h60
  text "+" at 4022.84,2217.32 h78.74 r180
Mechanical 1:
  circle w10: c4168.31,2026.57 r43.31
  circle w10: c4168.31,1319.88 r43.31
  circle w10: c1658.46,1319.88 r43.31
  circle w10: c1658.46,2026.57 r43.31
  circle w10: c1535.18,4232.28 r59.06
  circle w10: c4291.34,4232.28 r59.06
  lines w10: 4025.59,1403.54 4084.65,1403.54 ; 944.88,2460.63 944.88,3740.16 cw(c2913.39,2690.29) 4881.89,3740.16 4881.89,2460.63 4251.97,2460.63 4251.97,984.25 1574.8,984.25 1574.8,2460.63 944.88,2460.63
Mechanical 2:
  lines w10: 1574.8,1236.22 1742.13,1236.22 1742.13,1403.54 2566.93,1403.54 2566.93,1942.91 1742.13,1942.91 1742.13,2110.24 1574.8,2110.24 ; 2913.39,984.25 2913.39,4921.26 ; 4251.97,1236.22 4084.65,1236.22 4084.65,1403.54 3259.84,1403.54 3259.84,1942.91 4084.65,1942.91 4084.65,2110.24 4251.97,2110.24 ; 1909.45,2066.93 1909.45,2578.74 3917.32,2578.74 3917.32,2066.93 1909.45,2066.93 ; 1909.45,2657.48 1909.45,3169.29 3917.32,3169.29 3917.32,2657.48 1909.45,2657.48

## Text inside footprints (layer, text, board x,y; h text height)
B1: Top Overlay "+" at 4358.27,3688.98 h60 r90